# Altium PCB Urukul.PcbDoc (part 10 of 12) (continued)
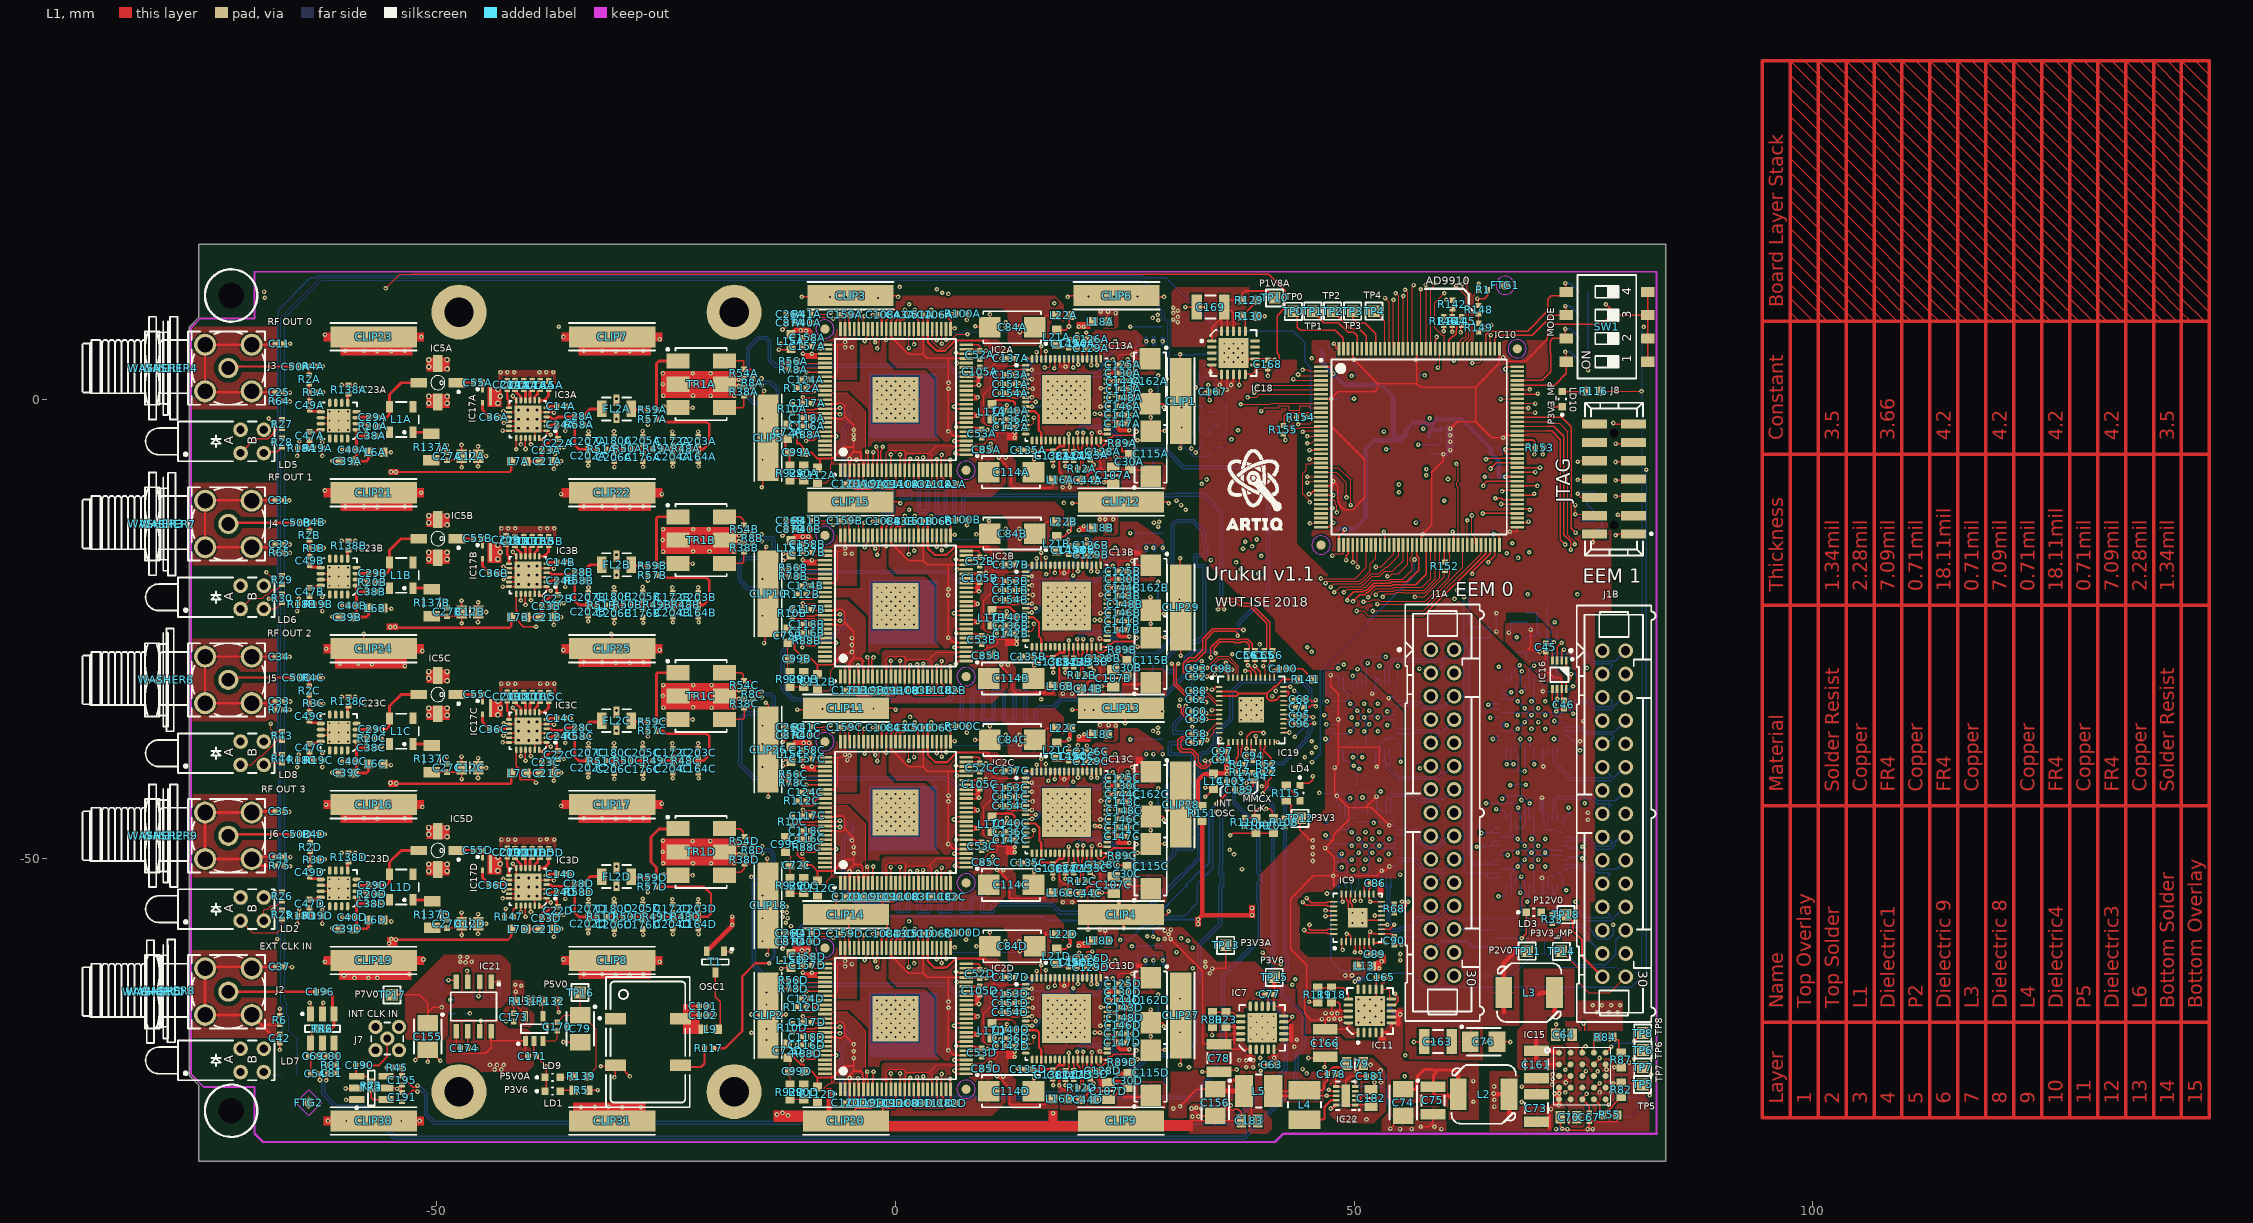
[diagram p0: L1 view]
## Nets (pads, with @x,y where several pads share a name; then routed paths per layer and width w, separated by ;. In a path a pad name is that pad's centre, name@x,y a point inside that pad or via, vN(x,y) a via of type N, cw(c..) or ccw(c..) an arc to the next point about the centre after c; other vN are vias at no path point) (continued)
  L1 w0.127: v1(50.279,-23.042) 51.058,-23.042 51.558,-23.542 57.611,-23.542 57.79,-23.362
  L1 w0.152: 57.79,-23.362 64.35,-16.803 IC10.69@64.35,-15.853
  L3 w0.127: v1(49.89,-51.25) 50.39,-50.75 50.39,-50.068 50.025,-49.703 50.025,-49.036 50.216,-48.845 50.216,-48.318 49.925,-48.028 49.925,-47.803 50.39,-47.338 50.39,-41.068 49.075,-39.753 49.075,-35.625 49.285,-35.416 49.285,-33.495 48.959,-33.17 48.959,-30.241 49.899,-29.302 49.899,-24.379 50.279,-23.999 v1(50.279,-23.042)
  L4 w0.127: v1(49.89,-51.25) 49.89,-51.639 50.077,-51.825 53.193,-51.825 53.226,-51.792 v1(55.029,-51.792)
  L6 w0.127: v1(49.89,-51.25) 50,-51.36 IC6A.21@50,-52.103 ; IC6A.12@54.7,-51.403 55.029,-51.731 v1(55.029,-51.792)
R\E\_DE8: IC1B.1 IC1B.40 IC10.80 | length 40.4
  L1 w0.152: IC10.80@67.8,-10.403 69.487,-10.403 v1(69.64,-10.25)
  L3 w0.152: v1(68.3,-29.628) 68.772,-29.156 68.772,-25.706 68.467,-25.402 68.467,-24.753 68.95,-24.271 v1(68.95,-21.228) 68.95,-20.628 69.64,-19.938 v1(69.64,-10.25) ; v1(73.875,-31.253) 73.875,-30.853 74.4,-30.328 74.4,-21.278 v1(74.35,-21.228)
  L4 w0.152: v1(68.95,-21.228) v1(74.35,-21.228)
  L6 w0.152: IC1B.40@68.1,-30.953 68.1,-29.828 v1(68.3,-29.628) ; IC1B.1@72.8,-31.653 73.475,-31.653 v1(73.875,-31.253)
R\E\_DE9: IC1B.5 IC1B.42 IC10.85 | length 39.5
  L1 w0.152: IC10.85@67.8,-7.903 v1(69.779,-7.903)
  L3 w0.152: v1(69.64,-29) 69.728,-28.912 69.728,-24.88 69.64,-24.791 69.64,-21.644 70.64,-20.644 70.64,-8.764 v1(69.779,-7.903) ; v1(73.89,-34.25) 75.39,-32.75 v1(75.39,-29.25)
  L4 w0.152: v1(69.64,-29) 69.716,-28.924 75.064,-28.924 v1(75.39,-29.25)
  L6 w0.152: IC1B.42@69.1,-31.303 IC1B.42@69.1,-30.953 69.1,-30.195 69.062,-30.157 69.062,-29.348 69.195,-29.214 69.426,-29.214 v1(69.64,-29) ; IC1B.5@72.8,-33.653 73.293,-33.653 v1(73.89,-34.25)
R\E\_DE10: IC1B.8 IC1B.19 IC10.82 | length 37.3
  L1 w0.152: IC10.82@67.8,-9.403 v1(70,-9.403)
  L3 w0.152: v1(69.14,-37) 69.14,-36.369 68.872,-36.101 68.872,-35.557 69.078,-35.351 69.078,-34.955 68.872,-34.748 68.872,-34.057 69.078,-33.851 69.078,-33.455 68.872,-33.248 68.872,-29.486 69.076,-29.282 69.076,-25.58 68.772,-25.276 68.772,-24.88 69.254,-24.397 69.254,-21.599 69.428,-21.426 69.428,-20.724 70.25,-19.903 70.25,-9.653 v1(70,-9.403)
  L4 w0.152: v1(69.14,-37) 71.09,-37 71.89,-36.2 71.852,-36.162 v1(71.852,-35.043)
  L6 w0.152: IC1B.19@69.1,-37.853 69.14,-37.813 v1(69.14,-37) ; v1@71.89,-35 71.892,-35.002 72.043,-35.153 IC1B.8@72.8,-35.153
R\E\_DE11: IC1B.12 IC1B.21 IC10.77 | length 33.7
  L1 w0.152: IC10.77@67.8,-11.903 69.043,-11.903 v1(69.14,-12)
  L3 w0.152: v1(68.14,-37) 67.29,-36.15 67.29,-32.427 67.694,-32.022 67.694,-29.273 67.572,-29.151 67.572,-28.755 67.694,-28.632 67.694,-26.622 67.935,-26.381 67.948,-26.381 68.228,-26.101 68.228,-25.593 68.163,-25.528 68.163,-24.627 68.368,-24.422 68.368,-21.478 68.336,-21.446 68.336,-20.374 68.368,-20.341 68.368,-12.772 v1(69.14,-12)
  L4 w0.152: v1(68.14,-37) 68.464,-37 68.942,-37.478 71.332,-37.478 v1(71.81,-37.001)
  L6 w0.152: IC1B.21@68.1,-37.853 68.14,-37.813 v1(68.14,-37) ; v1(71.81,-37.001) 71.962,-37.153 IC1B.12@72.8,-37.153
R\E\_DE12: IC6B.1 IC6B.40 IC10.79 | length 49.8
  L1 w0.152: v1(65.39,-10.75) 65.543,-10.903 65.561,-10.903 65.692,-10.772 66.088,-10.772 66.219,-10.903 IC10.79@67.8,-10.903
  L3 w0.152: v1(64.39,-44) 64.39,-33.676 64.162,-33.448 64.162,-33.052 64.336,-32.878 64.336,-18.087 64.187,-17.938 64.187,-17.562 64.336,-17.413 64.336,-14.4 65.054,-13.681 65.054,-11.655 65.39,-11.319 v1(65.39,-10.75)
  L4 w0.152: v1(67.89,-44.5) v1(73.39,-44.5)
  L6 w0.152: v1(64.39,-44) 67.39,-44 v1(67.89,-44.5) 67.89,-45 68.14,-45.25 68.14,-45.913 IC6B.40@68.1,-45.953 ; IC6B.1@72.8,-46.653 72.89,-46.563 72.89,-45.75 73.359,-45.281 73.39,-45.281 v1(73.39,-44.5)
R\E\_DE13: IC6B.5 IC6B.42 IC10.81 | length 54.6
  L1 w0.152: v1(66.14,-10) 66.237,-9.903 IC10.81@67.8,-9.903
  L3 w0.152: v1(66.14,-43.5) 66.137,-43.497 66.137,-41.258 66.279,-41.116 66.279,-40.03 66.187,-39.938 66.187,-39.562 66.279,-39.47 66.279,-36.134 66.14,-35.995 66.14,-29.439 66.253,-29.326 66.253,-28.93 66.104,-28.781 66.104,-25.069 66.14,-25.034 66.14,-13.324 66.64,-12.824 66.64,-10.5 v1(66.14,-10) ; v1(74.89,-48.75) 74.89,-44.25 v1(75.14,-44)
  L4 w0.152: v1(69.14,-44) v1(75.14,-44)
  L6 w0.152: v1(66.14,-43.5) 66.466,-43.174 68.448,-43.174 69.14,-43.866 v1(69.14,-44) 69.037,-44.103 69.037,-45.182 69.1,-45.245 IC6B.42@69.1,-45.953 ; IC6B.5@72.8,-48.653 73.357,-48.653 73.595,-48.891 74.749,-48.891 v1(74.89,-48.75)
R\E\_DE14: IC6B.8 IC6B.19 IC10.91 | length 69.8
  L1 w0.152: IC10.91@67.8,-4.903 v1(69,-4.903)
  L3 w0.152: v1(68.89,-54.75) 71.704,-51.936 71.704,-38.15 71.303,-37.749 71.303,-32.715 71.25,-32.662 71.25,-25.374 71.771,-24.853 72.2,-24.853 72.5,-24.553 72.5,-24.053 72,-23.553 72,-7.903 70.824,-6.727 69.789,-6.727 69,-5.938 v1(69,-4.903) ; v1(74.14,-54.75) 74.14,-50.75 v1(74.89,-50)
  L4 w0.152: v1(68.89,-54.75) v1(74.14,-54.75)
  L6 w0.152: v1(68.89,-54.75) 69.037,-54.603 69.037,-53.673 69.1,-53.61 IC6B.19@69.1,-52.853 ; IC6B.8@72.8,-50.153 73.257,-50.153 73.57,-49.839 74.729,-49.839 v1(74.89,-50)
R\E\_DE15: IC6B.12 IC6B.21 IC10.83 | length 67
  L1 w0.152: v1(64.1,-9.403) 64.1,-9.229 64.448,-8.881 64.578,-8.881 64.6,-8.903 IC10.83@67.8,-8.903
  L3 w0.152: v1(64.1,-9.403) 62.937,-9.403 59.889,-12.45 59.889,-53.052 60.586,-53.75 63.197,-53.75 64.25,-54.803 67.087,-54.803 v1(68.14,-53.75)
  L4 w0.152: v1(68.14,-53.75) 72.89,-53.75 v1(73.14,-53.5)
  L6 w0.152: IC6B.21@68.1,-52.853 68.1,-53.71 v1(68.14,-53.75) ; IC6B.12@72.8,-52.153 72.8,-53.16 v1(73.14,-53.5)
RF_OUT0: C50A.2 J3.1 | length 7
  L1 w0.25: J3.1@-72.75,3.447 -72.585,3.612 C50A.2@-65.833,3.612
RF_OUT1: C50B.2 J4.1 | length 7.1
  L1 w0.254: J4.1@-72.75,-13.553 -72.603,-13.406 C50B.2@-65.731,-13.406
RF_OUT2: C50C.2 J5.1 | length 7.1
  L1 w0.254: J5.1@-72.75,-30.553 -72.494,-30.297 C50C.2@-65.757,-30.297
RF_OUT3: C50D.2 J6.1 | length 7.1
  L1 w0.254: J6.1@-72.75,-47.553 -72.588,-47.391 C50D.2@-65.706,-47.391
RFSW_CTRL0: IC10.103 IC23A.2 R20A.2 | length 174.1
  L1 w0.127: IC23A.2@-58.771,-2.617 -58.036,-2.617 v1(-58.017,-2.636) ; IC10.103@67.8,1.097 v1@69.161,1.097
  L4 w0.127: v1(-58.017,-2.636) -58.017,-4.541 -55.934,-6.624 -54.766,-6.624 -54.537,-6.853 -52.607,-6.853 -51.133,-8.326 -36.909,-8.326 -35.919,-7.335 -35.919,-5.71 -34.649,-4.44 -32.75,-4.44 -32.187,-4.44 -32.187,-3.707 -31.06,-3.707 -31.06,-4.44 -31.06,-4.719 -29.933,-4.719 -29.933,-4.44 -29.933,-1.9 -28.805,-1.9 -28.805,-4.44 -28.805,-4.719 -27.678,-4.719 -27.678,-4.44 -27.678,-3.868 -26.551,-3.868 -26.551,-4.44 -26.551,-4.719 -25.424,-4.719 -25.424,-4.44 -25.424,-3.918 -24.297,-3.918 -24.297,-4.44 -24.297,-4.719 -23.17,-4.719 -23.17,-4.44 -23.17,-1.9 -22.043,-1.9 -22.043,-4.44 -22.043,-4.719 -20.916,-4.719 -20.916,-4.44 -20.916,-1.9 -19.789,-1.9 -19.789,-4.44 -19.789,-4.719 -18.662,-4.719 -18.662,-4.44 -18.662,-1.9 -17.535,-1.9 -17.535,-4.44 -17.535,-4.719 -16.408,-4.719 -16.408,-4.44 -16.408,-1.9 -15.281,-1.9 -15.281,-4.44 -15.25,-4.44 -14.736,-4.44 -14.682,-4.493 -11.233,-4.493 -9.198,-2.458 5.556,-2.458 7.105,-0.909 10.563,-0.909 11.355,-0.117 13.455,-0.117 14.043,0.471 14.043,1.021 14.659,1.638 14.888,1.638 15.315,2.065 15.315,2.107 16.002,2.794 16.98,2.794 17.039,2.735 17.615,2.735 17.674,2.794 19.034,2.794 19.095,2.733 22.402,2.733 23.589,1.546 26.113,1.546 26.172,1.606 31.831,1.606 32.546,0.891 32.911,0.891 33.312,1.293 33.312,2.006 33.648,2.342 39.853,2.342 40.157,2.038 42.262,2.038 43.177,1.123 v1(69.161,1.123)
RFSW_CTRL1: IC10.101 IC23B.2 R20B.2 | length 173.4
  L1 w0.127: v1(65.986,0.056) 66.027,0.097 IC10.101@67.8,0.097
  L4 w0.127: v1(-58.117,-19.617) -57.573,-19.617 -57.094,-19.138 -57.094,-16.648 -56.098,-15.652 -55.539,-15.094 -55.147,-15.486 -54.35,-14.689 -54.742,-14.297 -56.538,-12.501 -55.741,-11.704 -53.945,-13.5 -53.404,-14.041 -52.608,-13.244 -53.148,-12.703 -52.75,-12.305 -52.251,-11.806 ; -52.25,-11.806 -51.33,-11.806 -51.33,-10.354 -50.203,-10.354 -50.203,-11.806 -50.203,-12.195 -49.076,-12.195 -49.076,-11.806 -49.076,-9.266 -47.949,-9.266 -47.949,-11.806 -47.949,-13.942 -46.822,-13.942 -46.822,-11.806 -46.822,-9.266 -45.695,-9.266 -45.695,-11.806 -45.695,-12.136 -44.568,-12.136 -44.568,-11.806 -44.568,-9.266 -43.44,-9.266 -43.44,-11.806 -43.44,-12.136 -42.313,-12.136 -42.313,-11.806 -41.75,-11.806 -40.491,-11.806 -38.256,-9.57 -37.341,-9.57 -35.563,-7.792 -35.563,-6.167 -34.646,-5.25 -4.268,-5.25 -2.848,-3.83 4.543,-3.83 7.21,-1.163 12.768,-1.163 14.297,0.366 14.297,0.64 14.399,0.742 15.22,0.742 16.002,1.524 16.002,2.286 16.256,2.54 16.875,2.54 16.934,2.481 17.72,2.481 17.779,2.54 18.929,2.54 18.989,2.479 21.143,2.479 21.336,2.286 22.408,2.286 23.622,1.072 26.899,1.072 27.441,0.53 27.992,0.53 28.077,0.615 32.994,0.615 33.566,1.187 33.566,1.901 33.753,2.088 39.748,2.088 40.078,1.758 41.958,1.758 43.202,0.513 46.606,0.513 46.884,0.792 65.25,0.792 v1(65.986,0.056)
RFSW_CTRL2: IC10.100 IC23C.2 R20C.2 | length 175.9
  L1 w0.127: IC10.100@67.8,-0.403 69.747,-0.403 v1(69.771,-0.426)
  L4 w0.127: v1(-58.117,-36.617) -55.858,-34.357 -55.858,-33.25 -55.858,-26.818 -57.475,-26.818 -57.475,-25.69 -55.858,-25.69 -55.643,-25.69 -55.643,-24.563 -55.858,-24.563 -55.858,-24 -55.858,-21.712 -55.02,-20.873 -55.02,-20.445 -52.48,-20.445 -52.48,-19.318 -55.02,-19.318 -56.84,-19.318 -56.84,-18.19 -55.02,-18.19 -52.48,-18.19 -52.48,-17.063 -55.02,-17.063 -55.02,-16.5 -55.02,-16.02 -53.295,-14.295 -49.787,-14.295 -49.762,-14.32 -46.32,-14.32 -44.75,-12.75 -40.521,-12.75 -37.748,-9.977 -36.986,-9.977 -34.827,-7.818 -34.827,-6.776 -33.908,-5.858 -14.212,-5.858 -14.07,-6 -5.53,-6 -5.288,-5.758 -4.712,-5.758 -4.612,-5.858 -4.499,-5.858 -2.75,-4.109 5.73,-4.109 6.031,-3.808 7.415,-3.808 7.442,-3.835 11.557,-3.835 12.315,-4.593 13.182,-4.593 13.204,-4.572 22.581,-4.572 24.917,-2.235 26.06,-2.235 28.555,0.259 33.376,0.259 33.478,0.158 33.803,0.158 34.337,0.691 35.883,0.691 35.918,0.657 36.282,0.657 36.317,0.691 37.259,0.691 38.14,-0.191 38.572,-0.191 38.641,-0.122 46.504,-0.122 46.911,0.285 47.064,0.285 47.318,0.538 63.701,0.538 64.623,-0.384 66.168,-0.384 66.355,-0.198 69.542,-0.198 v1(69.771,-0.426)
RFSW_CTRL3: IC10.98 IC23D.2 R20D.2 | length 175.8
  L1 w0.127: IC10.98@67.8,-1.403 v1(69.745,-1.403)
  L4 w0.127: v1(-58.117,-53.617) -58.117,-51.124 -57.128,-50.134 -57.128,-45.68 -56.71,-45.262 -56.318,-45.262 -56.221,-45.359 -53.829,-45.359 -53.682,-45.212 -53.318,-45.212 -53.171,-45.359 -51.311,-45.359 -49.914,-43.962 -49.914,-16.301 -48.619,-15.006 -37.062,-15.006 -35.766,-13.711 -35.766,-11.272 -30.994,-6.5 -15.07,-6.5 -14.682,-6.112 -14.318,-6.112 -14.176,-6.254 -5.424,-6.254 -5.182,-6.012 -4.818,-6.012 -4.576,-6.254 -4.574,-6.254 -4.432,-6.112 -4.394,-6.112 -2.848,-4.567 5.713,-4.567 6.218,-4.062 7.092,-4.062 7.145,-4.115 11.455,-4.115 12.319,-4.978 22.758,-4.978 25.248,-2.489 26.289,-2.489 28.6,-0.178 33.454,-0.178 34.388,-1.112 38.249,-1.112 38.732,-0.63 63.344,-0.63 63.878,-1.163 67.56,-1.163 67.8,-1.403 v1(69.745,-1.403)
RSET1A: IC2A.84 R112A.1 | length 2.4
  L1 w0.152: R112A.1@-9.755,1.272 -9.245,1.272 -9.245,1.34 -8.792,1.793 -8.792,1.858 -8.65,2 IC2A.84@-7.7,2
RSET1B: IC2B.84 R112B.1 | length 2.4
  L1 w0.152: R112B.1@-9.755,-21.228 -9.245,-21.228 -9.245,-21.16 -8.792,-20.707 -8.792,-20.642 -8.65,-20.5 IC2B.84@-7.7,-20.5
RSET1C: IC2C.84 R112C.1 | length 2.4
  L1 w0.152: R112C.1@-9.755,-43.728 -9.245,-43.728 -9.245,-43.66 -8.792,-43.207 -8.792,-43.142 -8.65,-43 IC2C.84@-7.7,-43
RSET1D: IC2D.84 R112D.1 | length 2.4
  L1 w0.152: R112D.1@-9.755,-66.228 -9.245,-66.228 -9.245,-66.16 -8.792,-65.707 -8.792,-65.642 -8.65,-65.5 IC2D.84@-7.7,-65.5
RSETA: IC13A.48 R15A.1 | length 4
  L1 w0.127: IC13A.48@23.09,3.75 23.09,4.137 23.347,4.394 v1(23.695,4.394)
  L6 w0.127: v1(23.695,4.394) 23.695,4.078 23.875,3.897 R15A.1@26.205,3.897
RSETB: IC13B.48 R15B.1 | length 4
  L1 w0.127: IC13B.48@23.09,-18.75 23.09,-18.363 23.347,-18.106 v1(23.695,-18.106)
  L6 w0.127: v1(23.695,-18.106) 23.695,-18.422 23.875,-18.603 R15B.1@26.205,-18.603
RSETC: IC13C.48 R15C.1 | length 4
  L1 w0.127: IC13C.48@23.09,-41.25 23.09,-40.863 23.347,-40.606 v1(23.695,-40.606)
  L6 w0.127: v1(23.695,-40.606) 23.695,-40.922 23.875,-41.103 R15C.1@26.205,-41.103
RSETD: IC13D.48 R15D.1 | length 4
  L1 w0.127: IC13D.48@23.09,-63.75 23.09,-63.363 23.347,-63.106 v1(23.695,-63.106)
  L6 w0.127: v1(23.695,-63.106) 23.695,-63.422 23.875,-63.603 R15D.1@26.205,-63.603
S1A: IC13A.9 R96A.1 R104A.2 | length 20.9
  L1 w0.152: IC13A.9@14.19,-0.25 15.297,-0.25 v1(15.3,-0.253)
  L4 w0.152: v1(23.949,6.35) 24.05,6.452 24.348,6.154 24.706,6.154 24.822,6.038 26.329,6.038 26.34,6.049 27.024,6.049 v1(27.325,6.35)
  L6 w0.152: v1(15.3,-0.253) 14.734,-0.253 14.422,0.06 14.422,2.435 14.662,2.675 14.662,2.794 15.038,2.794 15.122,2.878 21.878,2.878 22.5,3.5 22.5,3.882 22.743,4.125 22.743,5.094 23.949,6.299 v1(23.949,6.35) ; v1(27.325,6.35) R104A.2@27.325,7.007
S1B: IC13B.9 R96B.1 R104B.2 | length 21.1
  L1 w0.152: IC13B.9@14.19,-22.75 15.297,-22.75 v1(15.3,-22.753)
  L4 w0.152: v1(23.949,-16.15) 24.249,-16.451 27.024,-16.451 v1(27.325,-16.15)
  L6 w0.152: v1(15.3,-22.753) 15.253,-22.706 14.687,-22.706 14.224,-22.242 14.224,-20.066 14.584,-19.706 15.038,-19.706 15.21,-19.533 19.09,-19.533 19.187,-19.631 21.78,-19.631 22.743,-18.667 22.743,-17.406 23.949,-16.201 v1(23.949,-16.15) ; v1(27.325,-16.15) R104B.2@27.325,-15.493
S1C: IC13C.9 R96C.1 R104C.2 | length 21.9
  L1 w0.152: IC13C.9@14.19,-45.25 15.297,-45.25 v1(15.3,-45.253)
  L4 w0.152: v1(23.949,-38.65) 24.05,-38.548 24.294,-38.792 24.337,-38.792 24.388,-38.844 26.583,-38.844 26.634,-38.792 27.183,-38.792 v1(27.325,-38.65)
  L6 w0.152: v1(15.3,-45.253) 14.519,-45.253 14.224,-44.958 14.224,-42.672 14.69,-42.206 15.038,-42.206 15.104,-42.139 22.123,-42.139 22.606,-41.656 22.606,-41.012 22.743,-40.875 22.743,-39.906 22.999,-39.651 23.076,-39.651 23.949,-38.778 v1(23.949,-38.65) ; R104C.2@27.325,-37.993 v1(27.325,-38.65) 27.327,-38.652 R96C.1@27.327,-39.225
S1D: IC13D.9 R96D.1 R104D.2 | length 22
  L1 w0.152: IC13D.9@14.19,-67.75 15.297,-67.75 v1(15.3,-67.753)
  L4 w0.152: v1(23.949,-61.15) 24.05,-61.048 24.153,-61.152 v1(27.23,-61.152)
  L6 w0.152: v1(15.3,-67.753) 14.159,-67.753 13.97,-67.564 13.97,-65.517 14.687,-64.8 14.702,-64.8 14.796,-64.706 15.038,-64.706 15.272,-64.471 16.453,-64.471 16.487,-64.506 16.863,-64.506 16.897,-64.471 19.028,-64.471 19.187,-64.631 21.762,-64.631 22.46,-63.932 22.46,-63.657 22.743,-63.375 22.743,-62.406 23.949,-61.201 v1(23.949,-61.15) ; R104D.2@27.325,-60.493 27.23,-60.588 v1(27.23,-61.152) 27.23,-61.632 R96D.1@27.327,-61.729
S2A: IC13A.10 R97A.1 R105A.2 | length 19
  L1 w0.152: IC13A.10@14.19,-0.75 14.882,-0.75 14.947,-0.75 14.905,-0.793 14.902,-0.795 14.882,-0.774 v1(14.882,-0.77)
  L3 w0.152: v1@14.882,-0.794 v1(14.882,-0.77)
  L6 w0.152: v1(14.882,-0.77) 15.73,-0.77 16,-0.5 16,2.5 22.5,2.5 23.186,3.186 23.186,4.112 23.047,4.251 23.047,4.458 24.437,5.847 R97A.1@26.425,5.847 R105A.2@26.425,7.007
S2B: IC13B.10 R97B.1 R105B.2 | length 18.8
  L1 w0.152: IC13B.10@14.19,-23.25 14.856,-23.25 v1@14.857,-23.25 ; v1(14.856,-23.21) 14.856,-23.248 v1@14.857,-23.25 ; v1@14.857,-23.25 14.902,-23.295 14.921,-23.276 14.947,-23.25 v1@14.857,-23.25
  L3 w0.152: v1(14.856,-23.21) 14.856,-23.268 v1@14.883,-23.295
  L6 w0.152: v1(14.856,-23.21) 15.483,-23.21 15.753,-22.94 15.753,-22.565 15.748,-22.56 15.748,-20.066 15.904,-19.91 22.072,-19.91 23.186,-18.796 23.186,-18.388 23.047,-18.249 23.047,-18.042 24.437,-16.653 26.413,-16.653 26.425,-16.653 R105B.2@26.425,-15.493
S2C: IC13C.10 R97C.1 R105C.2 | length 19.1
  L1 w0.152: IC13C.10@14.19,-45.75 v1@14.879,-45.75 ; v1(14.879,-45.719) v1@14.879,-45.75 ; v1@14.879,-45.75 14.947,-45.75 14.929,-45.768 14.902,-45.795 14.879,-45.772 v1@14.879,-45.75
  L3 w0.152: v1(14.879,-45.719) 14.879,-45.792 v1@14.883,-45.795
  L6 w0.152: v1(14.879,-45.719) 15.494,-45.719 15.494,-45.699 15.753,-45.44 15.753,-45.065 15.494,-44.806 15.494,-43.434 15.748,-43.18 15.748,-42.672 16.002,-42.418 22.606,-42.418 23.047,-41.977 23.047,-40.542 24.437,-39.153 26.413,-39.153 26.425,-39.153 R105C.2@26.425,-37.993
S2D: IC13D.10 R97D.1 R105D.2 | length 19
  L1 w0.152: IC13D.10@14.19,-68.25 14.882,-68.25 14.947,-68.25 14.905,-68.293 14.902,-68.295 14.882,-68.274 v1(14.882,-68.27)
  L3 w0.152: v1@14.882,-68.294 v1(14.882,-68.27)
  L6 w0.152: v1(14.882,-68.27) 15.423,-68.27 15.753,-67.94 15.753,-67.565 15.75,-67.562 15.75,-67.058 15.494,-66.802 15.494,-65.278 16.022,-64.75 16.337,-64.75 16.372,-64.785 16.978,-64.785 17.013,-64.75 18.912,-64.75 19.072,-64.91 22.212,-64.91 23.047,-64.075 23.047,-63.042 24.437,-61.653 26.413,-61.653 26.425,-61.653 R105D.2@26.425,-60.493
S3A: IC13A.54 R98A.1 R106A.2 | length 12
  L1 w0.127: IC13A.54@19.89,4.45 19.935,4.405 v1(19.935,3.84)
  L4 w0.127: v1(19.935,3.84) 20.884,4.789 22.815,4.789 23.773,5.747 28.527,5.747 v1(29.13,6.35)
  L6 w0.127: R98A.1@29.125,5.847 v1@29.125,6.35 ; R106A.2@29.125,7.007 29.125,6.426 29.13,6.421 v1(29.13,6.35)
S3B: IC13B.54 R98B.1 R106B.2 | length 12.6
  L1 w0.127: IC13B.54@19.89,-18.05 19.9,-18.06 v1(19.9,-18.703)
  L4 w0.127: v1(19.9,-18.703) 19.9,-17.903 20.722,-17.081 23.005,-17.081 23.344,-16.742 28.538,-16.742 v1(29.13,-16.15)
  L6 w0.127: R98B.1@29.125,-16.653 v1@29.125,-16.15 ; R106B.2@29.125,-15.493 29.125,-16.074 29.13,-16.079 v1(29.13,-16.15)
S3C: IC13C.54 R98C.1 R106C.2 | length 12.9
  L1 w0.127: IC13C.54@19.89,-40.55 19.9,-40.56 v1(19.9,-41.203)
  L4 w0.127: v1(19.9,-41.203) 19.9,-39.93 20.192,-39.638 23.071,-39.638 23.344,-39.366 23.344,-39.29 23.498,-39.135 28.645,-39.135 v1(29.13,-38.65)
  L6 w0.127: R98C.1@29.125,-39.153 v1@29.125,-38.65 ; R106C.2@29.125,-37.993 29.125,-38.574 29.13,-38.579 v1(29.13,-38.65)
S3D: IC13D.54 R98D.1 R106D.2 | length 13.5
  L1 w0.127: IC13D.54@19.89,-63.05 19.9,-63.06 v1(19.9,-63.703)
  L4 w0.127: v1(19.9,-63.703) 19.9,-63.928 20.35,-64.378 23.35,-64.378 24.176,-63.551 27.851,-63.551 29.13,-62.272 v1(29.13,-61.15)
  L6 w0.127: R98D.1@29.125,-61.653 v1@29.125,-61.15 ; R106D.2@29.125,-60.493 29.125,-61.074 29.13,-61.079 v1(29.13,-61.15)
S4A: IC13A.55 R99A.1 R107A.2 | length 14.3
  L1 w0.127: v1(19.38,3.505) v1@19.39,3.495 ; IC13A.55@19.39,4.45 19.39,3.505 v1@19.39,3.495 ; v1@19.39,3.495 19.39,3.337 19.396,3.332 19.396,3.49 v1@19.39,3.495
  L4 w0.152: v1(19.38,3.505) 19.38,3.43 19.457,3.353 19.457,3.505 19.457,4.038 20.5,5.08 22.553,5.08 22.628,5.155 22.752,5.155 22.873,5.276 22.89,5.276 23.292,5.677 23.292,6.352 23.471,6.531 23.471,6.548 23.751,6.828 24.147,6.828 24.301,6.674 24.616,6.674 24.948,6.342 26.203,6.342 26.214,6.353 26.316,6.353 26.79,6.828 27.738,6.828 28.114,6.452 v1(28.114,6.35)
  L6 w0.152: v1(28.114,6.35) 28.123,6.35 28.225,6.452 R107A.2@28.225,7.007 ; R99A.1@28.225,5.847 v1@28.225,6.35
S4B: IC13B.55 R99B.1 R107B.2 | length 14.4
  L1 w0.127: v1(19.375,-19.178) 19.39,-19.163 IC13B.55@19.39,-18.05
  L4 w0.152: v1(19.375,-19.178) 19.375,-17.396 20.279,-16.492 21.715,-16.492 22.68,-15.527 24.317,-15.527 24.937,-16.147 26.257,-16.147 26.732,-15.672 27.738,-15.672 28.114,-16.048 v1(28.114,-16.15)
  L6 w0.152: v1(28.114,-16.15) 28.123,-16.15 28.225,-16.048 R107B.2@28.225,-15.493 ; R99B.1@28.225,-16.653 v1@28.225,-16.15
S4C: IC13C.55 R99C.1 R107C.2 | length 14.2
  L1 w0.127: v1(19.375,-41.678) 19.39,-41.663 IC13C.55@19.39,-40.55
  L4 w0.152: v1(19.375,-41.678) 19.375,-39.896 20.605,-38.667 21.733,-38.667 22.346,-38.053 24.027,-38.053 24.427,-38.452 24.514,-38.54 26.457,-38.54 26.508,-38.488 26.811,-38.488 27.127,-38.172 27.523,-38.172 27.535,-38.184 27.75,-38.184 28.114,-38.548 v1(28.114,-38.65)
  L6 w0.152: v1(28.114,-38.65) 28.123,-38.65 28.225,-38.548 R107C.2@28.225,-37.993 ; R99C.1@28.225,-39.153 v1@28.225,-38.65
S4D: IC13D.55 R99D.1 R107D.2 | length 13.2
  L1 w0.127: v1(19.375,-64.178) 19.39,-64.163 IC13D.55@19.39,-63.05
  L4 w0.152: v1(19.375,-64.178) 19.375,-63.578 19.696,-63.256 19.706,-63.256 19.712,-63.25 20.088,-63.25 20.094,-63.256 22.848,-63.256 23.965,-62.14 26.512,-62.14 26.55,-62.178 27.9,-62.178 28.114,-61.963 v1(28.114,-61.15)
  L6 w0.152: v1(28.114,-61.15) 28.123,-61.15 28.225,-61.048 R107D.2@28.225,-60.493 ; R99D.1@28.225,-61.653 v1@28.225,-61.15
SG0: C37.1 C42.2 J2.2 R6.2 | length 23.4
  L1 w0.3: -68.65,-68.153 -68.4,-68.153 -68.37,-68.123 R6.2@-67.15,-68.123 ; C37.1@-67.585,-61.844 -70.21,-61.844 -75.121,-61.844 J2.2@-75.29,-62.013 J2.2@-75.29,-67.093 J2.2@-70.21,-67.093 -68.1,-69.203 C42.2@-67.15,-69.203
SG1: C11.1 C25.2 J3.2 R64.2 | length 21.5
  L1 w0.25: R64.2@-67.673,-0.182 -67.673,0.798 C25.2@-67.653,0.818 -70.21,0.818 -75.201,0.818 J3.2@-75.29,0.907 J3.2@-75.29,5.987 J3.2@-70.21,5.987 -67.725,5.987 C11.1@-67.611,6.101
SG2: C31.1 C32.2 J4.2 R65.2 | length 21.3
  L1 w0.254: R65.2@-67.642,-16.675 -68.073,-16.244 -68.073,-16.227 ; C31.1@-67.636,-10.967 -70.21,-10.967 -75.245,-10.967 J4.2@-75.29,-11.013 J4.2@-75.29,-16.093 J4.2@-70.21,-16.093 -68.207,-16.093 -68.073,-16.227 ; C32.2@-67.622,-15.775 -68.073,-16.227
SG3: C33.1 C34.2 J5.2 R74.2 | length 21.4
  L1 w0.254: R74.2@-67.656,-33.802 C33.1@-67.656,-32.908 ; C33.1@-67.636,-32.888 C33.1@-67.656,-32.908 ; C34.2@-67.636,-28.011 -70.21,-28.011 -75.288,-28.011 J5.2@-75.29,-28.013 J5.2@-75.29,-33.093 J5.2@-70.21,-33.093 -67.841,-33.093 C33.1@-67.656,-32.908
SG4: C35.1 C41.2 J6.2 R75.2 | length 23.5
  L1 w0.3: C35.1@-67.636,-44.902 -70.099,-44.902 J6.2@-70.21,-45.013 J6.2@-75.29,-45.013 J6.2@-75.29,-50.093 J6.2@-70.21,-50.093 ; R75.2@-67.631,-50.829 -69.473,-50.829 J6.2@-70.21,-50.093 ; C41.2@-67.611,-49.829 -69.947,-49.829 J6.2@-70.21,-50.093
SYNC_SMP_ERR0: IC2A.12 IC10.19 | length 50.4
  L1 w0.152: IC2A.12@-0.5,-7.7 v1(-0.5,-5.978) ; v1(45.14,-5.5) 46.303,-5.5 IC10.19@46.4,-5.403
  L4 w0.152: v1(-0.5,-5.978) -0.347,-5.978 0.565,-5.066 9.956,-5.066 10.175,-5.285 10.571,-5.285 10.79,-5.066 12.029,-5.066 12.209,-5.245 12.253,-5.245 13.1,-6.092 13.738,-6.092 14.246,-5.584 23.195,-5.584 23.384,-5.773 29.597,-5.773 30.061,-6.237 35.061,-6.237 35.522,-5.776 44.864,-5.776 v1(45.14,-5.5)
SYNC_SMP_ERR1: IC2B.12 IC10.28 | length 68.6
  L1 w0.152: IC2B.12@-0.5,-30.2 v1(-0.5,-28.478) ; v1(45.085,-10.287) 45.085,-10.302 45.081,-10.306 45.177,-10.403 45.189,-10.391 45.678,-9.903 IC10.28@46.4,-9.903
  L3 w0.152: v1@44.973,-26.917 v1(44.89,-27) 44.89,-13.929 44.708,-13.748 44.708,-10.694 45.085,-10.318 v1(45.085,-10.287)
  L4 w0.152: v1(-0.5,-28.478) -0.5,-27.975 0.008,-27.467 5.526,-27.467 5.54,-27.481 10.108,-27.481 10.301,-27.674 10.617,-27.99 12.242,-27.99 12.899,-28.647 13.661,-28.647 13.716,-28.702 14.516,-28.702 15.128,-28.089 23.061,-28.089 23.263,-28.291 23.849,-28.291 24.069,-28.071 24.445,-28.071 24.665,-28.291 28.825,-28.291 29.803,-27.314 32.749,-27.314 33.545,-26.518 38.533,-26.518 39.245,-27.23 44.66,-27.23 v1(44.89,-27)
SYNC_SMP_ERR2: IC2C.12 IC10.40 | length 90.9
  L1 w0.152: IC2C.12@-0.5,-52.7 v1(-0.5,-50.978) ; IC10.40@49.85,-15.853 49.85,-17.71 v1(49.89,-17.75)
  L3 w0.152: v1(36.449,-49.098) 36.504,-49.043 36.504,-48.173 36.982,-47.695 36.982,-47.299 36.637,-46.954 36.637,-37.658 36.746,-37.549 36.746,-36.458 36.585,-36.297 36.585,-30.881 37.144,-30.322 37.144,-29.655 37.153,-29.646 37.153,-29.271 37.144,-29.262 37.144,-27.964 37.169,-27.939 37.169,-26.841 38.469,-25.542 38.469,-24.627 37.14,-23.299 v1(37.14,-17.75)
  L4 w0.127: v1(-0.5,-50.978) -0.5,-49.945 0.429,-49.017 3.731,-49.017 5.28,-47.467 10.157,-47.467 10.6,-47.91 10.6,-48.153 11.35,-48.903 11.888,-48.903 12.138,-49.153 12.138,-49.423 12.521,-49.806 12.947,-49.806
  L4 w0.152: 12.947,-49.806 13.188,-49.806 13.429,-49.564 23.066,-49.564 23.244,-49.386 25.678,-49.386 26.333,-50.042 35.505,-50.042 v1(36.449,-49.098) ; v1(37.14,-17.75) 37.211,-17.821 46.319,-17.821 46.39,-17.75 47.284,-17.75 47.316,-17.782 47.964,-17.782 47.996,-17.75 48.714,-17.75 48.942,-17.978 49.338,-17.978 49.566,-17.75 v1(49.89,-17.75)
SYNC_SMP_ERR3: IC2D.12 IC10.39 | length 110.3
  L1 w0.152: IC2D.12@-0.5,-75.2 v1(-0.5,-73.478) ; v1(49.14,-17.5) 49.14,-17.013 49.35,-16.803 IC10.39@49.35,-15.853
  L3 w0.152: v1(32,-72.803) 32,-70.105 33.147,-68.958 33.147,-58.595 32.7,-58.148 32.7,-57.521 32.542,-57.363 32.542,-56.988 32.542,-56.855 32.542,-56.48 32.7,-56.322 32.7,-40.3 33.25,-39.75 33.25,-39 34.976,-37.274 34.976,-36.816 35.54,-36.252 35.54,-29.685 35.517,-29.661 35.517,-28.061 35.628,-27.949 35.628,-26.378 34.39,-25.14 v1(34.39,-17.5)
  L4 w0.152: v1(-0.5,-73.478) -0.5,-72.975 -0.008,-72.483 4.63,-72.483 4.675,-72.528 5.071,-72.528 5.116,-72.483 9.835,-72.483 10.15,-72.798 10.546,-72.798 10.861,-72.483 13.586,-72.483 13.995,-72.893 22.019,-72.893 22.4,-73.274 23.67,-73.274 23.695,-73.248 23.77,-73.248 23.998,-73.02 31.783,-73.02 v1(32,-72.803) ; v1(34.39,-17.5) 36.714,-17.5 36.942,-17.272 37.338,-17.272 37.583,-17.517 40.088,-17.517 40.159,-17.446 47.41,-17.446 47.442,-17.478 47.838,-17.478 47.87,-17.446 49.086,-17.446 v1(49.14,-17.5)
TP0: IC10.143 TP0.1 | length 8.6
  L1 w0.152: TP0.1@43.38,9.632 43.812,9.2 43.812,7.905 44.142,7.575 47.977,7.575 48.85,6.702 IC10.143@48.85,5.547
TP1: IC10.140 TP1.1 | length 7.4
  L1 w0.152: TP1.1@45.5,9.647 46.326,8.821 46.326,8.768 46.682,8.413 48.282,8.413 49.349,7.346 49.959,7.346 50.35,6.955 IC10.140@50.35,5.547
TP2: IC10.138 TP2.1 | length 6.2
  L1 w0.152: TP2.1@47.673,9.657 49.579,7.751 50.57,7.751 51.35,6.971 IC10.138@51.35,5.547
TP3: IC10.136 TP3.1 | length 5.6
  L1 w0.152: TP3.1@49.857,9.657 49.857,8.822 50.365,8.314 51.2,8.314 52.35,7.164 IC10.136@52.35,5.547
TP4: IC10.134 TP4.1 | length 4.6
  L1 w0.127: TP4.1@52.178,9.647 53.35,8.476 IC10.134@53.35,5.547
pads on no net: FTG1.FTG2 FTG2.1 FTG3.1 FTG4.1 IC1A.17 IC1A.44 IC1B.17 IC1B.44 IC2A.1 IC2A.20 IC2A.24 IC2A.40 IC2A.61 IC2A.72 IC2A.86 IC2A.87 IC2A.93 IC2A.94 IC2A.97 IC2A.98 IC2A.99 IC2A.100 IC2A.FTG1 IC2A.FTG2 IC2B.1 IC2B.20 IC2B.24 IC2B.40 IC2B.61 IC2B.72 IC2B.86 IC2B.87 IC2B.93 IC2B.94 IC2B.97 IC2B.98 IC2B.99 IC2B.100 IC2B.FTG1 IC2B.FTG2 IC2C.1 IC2C.20 IC2C.24 IC2C.40 IC2C.61 IC2C.72 IC2C.86 IC2C.87 IC2C.93 IC2C.94 IC2C.97 IC2C.98 IC2C.99 IC2C.100 IC2C.FTG1 IC2C.FTG2 IC2D.1 IC2D.20 IC2D.24 IC2D.40 IC2D.61 IC2D.72 IC2D.86 IC2D.87 IC2D.93 IC2D.94 IC2D.97 IC2D.98 IC2D.99 IC2D.100 IC2D.FTG1 IC2D.FTG2 IC6A.17 IC6A.44 IC6B.17 IC6B.44 IC7.2 IC7.3 IC7.4 IC7.13 IC7.14 IC7.15 IC7.17 IC8A.5 IC8B.5 IC9.17 IC9.29 IC9.30 IC10.18 IC10.20 IC10.31 IC10.33 IC10.34 IC10.42 IC10.44 IC10.46 IC10.48 IC10.66 IC10.75 IC10.106 IC10.107 IC10.114 IC10.135 IC10.137 IC10.139 IC10.142 IC10.FTG1 IC10.FTG2 IC11.2 IC11.3 IC11.4 IC11.13 IC11.14 IC11.15 IC11.17 IC13A.12 IC13A.13 IC13A.15 IC13A.16 IC13A.17 IC13A.18 IC13A.20 IC13A.21 IC13A.22 IC13A.34 IC13A.35 IC13A.38 IC13A.40 IC13A.41 IC13B.12 IC13B.13 IC13B.15 IC13B.16 IC13B.17 IC13B.18 IC13B.20 IC13B.21 IC13B.22 IC13B.34 IC13B.35 IC13B.38 IC13B.40 IC13B.41 IC13C.12 IC13C.13 IC13C.15 IC13C.16 IC13C.17 IC13C.18 IC13C.20 IC13C.21 IC13C.22 IC13C.34 IC13C.35 IC13C.38 IC13C.40 IC13C.41 IC13D.12 IC13D.13 IC13D.15 IC13D.16 IC13D.17 IC13D.18 IC13D.20 IC13D.21 IC13D.22 IC13D.34 IC13D.35 IC13D.38 IC13D.40 IC13D.41 IC14.4 IC18.2 IC18.3 IC18.4 IC18.13 IC18.14 IC18.15 IC18.17 IC19.11 IC19.13 IC19.21 IC19.24 IC19.25 IC19.28 IC19.40 IC19.41 IC22.4 IC23A.4 IC23A.6 IC23A.7 IC23A.8 IC23A.13 IC23A.14 IC23A.15 IC23A.16 IC23B.4 IC23B.6 IC23B.7 IC23B.8 IC23B.13 IC23B.14 IC23B.15 IC23B.16 IC23C.4 IC23C.6 IC23C.7 IC23C.8 IC23C.13 IC23C.14 IC23C.15 IC23C.16 IC23D.4 IC23D.6 IC23D.7 IC23D.8 IC23D.13 IC23D.14 IC23D.15 IC23D.16 J8.12 J8.14 J8.15 J8.16 L1A.2 L1A.4 L1B.2 L1B.4 L1C.2 L1C.4 L1D.2 L1D.4 OSC1.1